# Allegro board gps_interface_boardv54dc.brd (continued)
## Copper pours and planes (outline as drawn; the poured copper is in the pictures) (continued)
GND_POWER on TOP (solid shape): 13.84,68.76 13.03,68.76 13.03,68.48 12.93,68.48 12.93,68.32 12.91,68.3 12.91,67.75 12.91,65.3 13.03,65.18 13.03,65.15 13.11,65.07 20.83,65.07 20.95,64.95 20.95,59.89 20.83,59.77 4.7,59.77 4.55,59.92 4.55,65.02 4.6,65.07 12.5,65.07 12.52,65.08 12.75,65.3 12.75,67.75 12.75,68.3 12.73,68.32 12.73,68.48 12.57,68.48 12.57,68.76 11.81,68.76 11.81,70.79 13.84,70.79
GND_POWER on TOP (solid shape): 20.9,74.5 20.9,72.49 20.87,72.48 20.76,72.42 20.66,72.34 13.13,72.34 13.06,72.26 13.06,72.05 12.97,72.05 12.97,71.44 12.98,71.4 12.99,71.35 12.97,71.26 12.89,71.22 12.76,71.22 12.68,71.26 12.67,71.35 12.68,71.4 12.68,71.44 12.68,72.05 12.6,72.05 12.6,72.26 12.52,72.34 4.62,72.34 4.55,72.42 4.55,74.45 4.65,74.55 20.85,74.55
GND_POWER on TOP (solid shape): 104.22,93.95 104.22,91.08 104.09,90.96 100.03,90.96 99.96,91.03 99.86,91.05 99.06,91.05 98.96,91.02 98.88,90.94 98.86,90.91 98.86,90.04 98.73,89.92 98.73,87.93 93.6,87.93 93.52,88.01 93.52,88.88 96.95,88.88 97.15,89.08 97.15,90.02 97.07,90.1 97.07,90.2 97.06,90.26 97.03,90.32 97.02,90.35 97.03,90.38 97.06,90.44 97.07,90.5 97.07,90.82 97.1,90.85 97.1,92.46 96.9,92.66 93.52,92.66 93.52,93.98 93.62,94.08 104.09,94.08
GND_POWER on TOP: 44.04,49.02 44.04,48.03 44.09,47.98 44.45,47.98 44.5,48.03 44.5,49.02 44.58,49.1 52.3,49.1 52.35,49.15 52.35,51.26 52.3,51.31 36.09,51.31 35.99,51.21 35.99,49.17 36.07,49.1 43.97,49.1
GND_POWER on TOP: 53.19,70.21 65.3,70.21 65.53,69.98 65.53,67.23 65.41,67.11 44.58,67.11 44.5,67.03 44.5,66.04 44.45,65.99 44.09,65.99 44.04,66.04 44.04,67.03 43.97,67.11 36.07,67.11 35.99,67.18 35.99,69.22 36.09,69.32 52.3,69.32
GND_POWER on TOP: 43.13,98.5 45.31,98.5 45.31,96.32 44.42,96.32 44.42,92.79 44.5,92.71 52.22,92.71 52.35,92.58 52.35,85.19 52.27,85.12 44.55,85.12 44.48,85.04 44.48,84.05 44.42,84 44.07,84 44.02,84.05 44.02,85.04 43.94,85.12 36.04,85.12 35.97,85.19 35.97,85.22 35.94,85.24 35.94,92.66 35.99,92.71 43.89,92.71 43.97,92.79 43.97,96.32 43.13,96.32
GND_POWER on TOP: 43.99,99.9 43.99,98.91 44.04,98.86 44.4,98.86 44.45,98.91 44.45,99.9 44.53,99.97 52.25,99.97 52.3,100.03 52.3,102.13 52.25,102.18 36.04,102.18 35.94,102.08 35.94,100.05 36.02,99.97 43.92,99.97
GND_POWER on TOP: 56.57,83.44 60.73,83.44 60.93,83.24 60.93,78.23 60.71,78 56.64,78 56.39,78.26 56.39,83.26
GND_POWER on TOP: 14.78,21.49 18.9,21.49 18.9,18.77 14.78,18.77
GND_POWER on TOP: 56.36,93.45 56.36,98.45 56.54,98.63 62.92,98.63 63.17,98.37 63.17,93.34 63.02,93.19 56.62,93.19
GND_POWER on TOP: 19.56,33.15 30.2,33.15 30.2,27.41 19.15,27.41 19.15,32.74
GND_POWER on TOP: 43.23,83.57 45.26,83.57 45.26,81.53 44.45,81.53 44.45,77.93 44.53,77.85 52.25,77.85 52.37,77.72 52.37,72.67 52.25,72.54 36.12,72.54 35.97,72.69 35.97,77.8 36.02,77.85 43.92,77.85 43.99,77.93 43.99,81.53 43.23,81.53
GND_POWER on TOP: 1.22,34.54 25.76,34.54 25.76,57.15 1.22,57.15
GND_POWER on TOP: 43.18,47.62 45.36,47.62 45.36,45.44 44.48,45.44 44.48,41.91 44.55,41.83 52.27,41.83 52.4,41.71 52.4,39.6 35.99,39.6 35.99,41.78 36.04,41.83 43.94,41.83 44.02,41.91 44.02,45.44 43.18,45.44
GND_POWER on GND1: 1.85,150.47 302.92,150.47 302.92,2 1.85,2
GND_POWER on GND2: 302.92,1.98 1.98,1.98 1.98,150.47 302.92,150.47
GND_POWER on GND3: 2,150.47 302.92,150.47 302.92,2 2,2
VCC2V5 on TOP: 89.74,88.85 89.74,90.2 91.26,90.2 91.49,90.42 92.48,90.42 92.48,89.13 91.54,89.13 91.26,88.85
VCC2V5 on TOP: 52.78,66.7 65.35,66.7 65.53,66.52 65.53,60.22 65.38,60.07 52.6,60.07 52.45,60.22 52.45,66.37
VCC2V5 on TOP: 91.9,92.41 96.8,92.41 96.85,92.35 96.85,90.96 96.82,90.93 94.28,90.93 94.26,90.91 94.26,90.02 94.28,89.99 96.82,89.99 96.9,89.92 96.9,89.18 96.85,89.13 91.9,89.13
VCC2V5 on PWR2: 32.26,129.18 155.02,129.18 155.5,128.7 155.5,98.83 155.91,98.42 293.67,98.42 293.67,48.49 293.24,48.06 267.03,48.06 266.75,47.78 266.75,29.97 267.16,29.57 293.55,29.57 293.67,29.44 293.67,18.14 293.5,17.96 31.88,17.96 31.88,128.8
VCC3V3 on TOP: 56.46,92.35 62.94,92.35 63.17,92.13 63.17,84.53 62.99,84.35 56.64,84.35 56.39,84.61 56.39,92.28
VCC3V3 on PWR1: 45.52,88.54 1.57,88.54 1.22,88.9 1.22,149.78 2.41,150.98 302.49,150.98 303.1,150.37 303.1,2.03 302.59,1.52 46.38,1.52 45.85,2.06 45.85,88.21
VCC5V on TOP (solid shape): 27.79,70.87 27.79,65.41 27.68,65.3 23.48,65.3 23.11,65.43 22.75,65.3 21.18,65.3 21.18,71.02 27.64,71.02
VCC5V on PWR2: 147.83,150.9 147.96,151.03 148.01,150.98 300.51,150.98 300.53,151 302.49,151 303.15,150.34 303.15,2.51 302.34,1.7 274.12,1.7 273.41,2.41 273.41,16.66 273.99,17.25 293.8,17.25 294.34,17.78 294.34,29.46 293.8,30 268.3,30 267.49,30.81 267.49,46.89 268.05,47.45 293.4,47.45 293.42,47.42 294.89,47.42 295.4,47.93 295.4,119.3 157.12,119.3 156.84,119.58 156.84,128.78 155.98,129.64 31.67,129.64 31.62,129.69 31.29,129.36 31.29,66.04 16.21,66.04 16.21,71.04 11.66,71.04 11.66,131.85 11.1,132.41 1.22,132.41 1.22,150.47 1.65,150.9
VCCR_SFP INTERFACE_SFP1 on PWR2: 275.11,118.75 284.45,118.75 284.66,118.54 284.66,98.83 284.48,98.65 275.11,98.65 274.9,98.86 274.9,118.54
VCCR_SFP INTERFACE_SFP2 on PWR2: 252.98,118.75 262.33,118.75 262.53,118.54 262.53,98.86 262.36,98.68 252.98,98.68 252.78,98.88 252.78,118.54
VCCR_SFP INTERFACE_SFP3 on PWR2: 230.68,118.72 240.03,118.72 240.23,118.52 240.23,98.86 240.06,98.68 230.68,98.68 230.48,98.88 230.48,118.52
VCCR_SFP INTERFACE_SFP4 on PWR2: 201.5,118.72 210.85,118.72 211.05,118.52 211.05,98.88 210.87,98.7 201.5,98.7 201.29,98.91 201.29,118.52
VCCR_SFP INTERFACE_SFP5 on PWR2: 179.25,118.72 188.59,118.72 188.8,118.52 188.8,113.84 188.82,113.82 188.82,98.88 188.65,98.7 179.27,98.7 179.07,98.91 179.07,113.64 179.04,113.67 179.04,118.52
VCCR_SFP INTERFACE_SFP6 on PWR2: 157.05,118.72 166.4,118.72 166.6,118.52 166.6,98.86 166.42,98.68 157.05,98.68 156.84,98.88 156.84,118.52
VCCT_SFP INTERFACE_SFP1 on PWR2: 285.04,118.75 294.39,118.75 294.59,118.54 294.59,98.83 294.41,98.65 285.04,98.65 284.84,98.86 284.84,118.54
VCCT_SFP INTERFACE_SFP2 on PWR2: 262.99,118.75 272.34,118.75 272.54,118.54 272.54,98.86 272.36,98.68 262.99,98.68 262.79,98.88 262.79,118.54
VCCT_SFP INTERFACE_SFP3 on PWR2: 240.69,118.69 250.04,118.69 250.24,118.49 250.24,98.86 250.06,98.68 240.69,98.68 240.49,98.88 240.49,118.49
VCCT_SFP INTERFACE_SFP4 on PWR2: 211.51,118.72 220.85,118.72 221.06,118.52 221.06,98.88 220.88,98.7 211.51,98.7 211.3,98.91 211.3,118.52
VCCT_SFP INTERFACE_SFP5 on PWR2: 189.26,118.72 198.6,118.72 198.81,118.52 198.81,98.88 198.63,98.7 189.26,98.7 189.05,98.91 189.05,118.52
VCCT_SFP INTERFACE_SFP6 on PWR2: 167.06,118.72 176.4,118.72 176.61,118.52 176.61,98.86 176.43,98.68 167.06,98.68 166.85,98.88 166.85,118.52
VDD_FILT on TOP: 99.77,90.86 105.41,90.86 105.49,90.78 105.49,89.26 105.36,89.13 98.91,89.13 98.86,89.18 98.86,89.81 98.91,89.87 99.72,89.87 99.72,90.81
VDD_FILT on PWR2: 97.21,94.39 109.09,94.39 109.42,94.06 109.42,85.78 109.8,85.39 119.63,85.39 119.84,85.19 119.84,74.45 119.61,74.22 104.24,74.22 104.04,74.42 104.04,76.45 105.94,78.36 109.52,78.36 109.8,78.64 111.38,78.64 111.56,78.82 111.56,80.77 111.2,81.13 109.86,81.13 109.47,81.51 105.89,81.51 101.24,86.16 96.93,86.16 96.93,94.11
(no net) on TOP: 98.73,87.93 93.6,87.93 93.52,88.01 93.52,88.98 93.57,89.03 96.93,89.03 96.98,89.08 96.98,92.51 96.9,92.58 93.52,92.58 93.52,93.98 93.62,94.08 104.09,94.08 104.22,93.95 104.22,91.08 104.09,90.96 98.91,90.96 98.86,90.91 98.86,89.99 98.88,89.97 98.78,89.97 98.73,89.92
(no net) on TOP: 43.26,65.56 45.29,65.56 45.29,63.53 44.48,63.53 44.48,59.92 44.55,59.84 52.27,59.84 52.4,59.72 52.4,56.74 35.99,56.74 35.99,59.79 36.04,59.84 43.94,59.84 44.02,59.92 44.02,63.53 43.26,63.53
(no net) on TOP: 11.81,70.79 13.84,70.79 13.84,68.76 13.03,68.76 13.03,65.15 13.11,65.07 20.83,65.07 20.95,64.95 20.95,59.89 20.83,59.77 4.7,59.77 4.55,59.92 4.55,65.02 4.6,65.07 12.5,65.07 12.57,65.15 12.57,68.76 11.81,68.76
(no net) on TOP: 4.6,69.44 11.23,69.44 11.28,69.39 11.28,68.3 11.35,68.22 12.47,68.22 12.5,68.2 12.5,65.41 12.42,65.33 4.6,65.33 4.55,65.38 4.55,69.39
(no net) on TOP: 36.04,64.21 42.67,64.21 42.72,64.16 42.72,63.07 42.8,62.99 43.92,62.99 43.94,62.97 43.94,60.17 43.87,60.1 36.04,60.1 35.99,60.15 35.99,64.16
(no net) on TOP: 52.37,62.46 52.37,60.22 52.25,60.1 44.68,60.1 44.6,60.17 44.6,62.97 44.63,62.99 45.8,62.99 45.82,63.02 45.82,64.19 45.85,64.21 49.25,64.21 49.26,64.22 49.26,62.46
(no net) on TOP: 21.01,70.87 21.01,65.46 21.16,65.3 27.69,65.3 27.79,65.41 27.79,70.87 27.64,71.02 21.16,71.02
(no net) on TOP: 18.03,71.02 20.83,71.02 20.93,70.92 20.93,65.46 20.8,65.33 13.23,65.33 13.16,65.41 13.16,68.2 13.18,68.22 14.35,68.22 14.38,68.25 14.38,69.42 14.4,69.44 17.81,69.44 17.96,69.6 17.96,70.94
(no net) on TOP: 12.6,72.26 12.6,71.27 12.65,71.22 13,71.22 13.06,71.27 13.06,72.26 13.13,72.34 20.85,72.34 20.9,72.39 20.9,74.5 20.85,74.55 4.65,74.55 4.55,74.45 4.55,72.42 4.62,72.34 12.52,72.34
VP2V5 on TOP: 66.19,64.21 78.66,64.21 78.66,39.57 60.76,39.57 60.76,39.6 52.68,39.6 52.68,46.2 73.03,46.2 73.03,60.07 66.19,60.07
VP2V5 on BOTTOM: 46.84,64.87 51.74,64.87 51.89,64.72 51.89,62.31 49.4,59.82 49.4,55.91 52.17,53.14 61.29,53.14 61.67,53.52 61.67,58.67 61.04,59.31 56.31,59.31 55.93,59.77 55.93,60.5 56.13,60.71 63.27,60.71 64.14,59.84 64.14,50.42 60.76,47.04 60.76,43.31 60.4,42.95 55.58,42.95 55.12,43.41 55.12,46.96 51.64,50.44 50.44,50.44 46.05,54.84 46.05,64.08
VP3V3 on TOP: 52.83,98.65 55.88,98.65 56.08,98.45 56.08,78.33 55.85,78.11 52.81,78.11 52.6,78.31 52.6,83.59 52.58,83.62 52.58,93.27 52.6,93.29 52.6,98.42
VP3V5 on TOP (solid shape): 39.71,64.21 40.13,64.03 40.55,64.21 42,64.21 42,64.19 42.61,64.19 42.69,64.2 42.72,64.16 42.72,63.07 42.8,62.99 43.92,62.99 43.92,62.27 43.94,62.27 43.94,60.17 43.87,60.1 36.04,60.1 35.99,60.15 35.99,64.16 36.04,64.21
VP3V5 on TOP: 36.04,46.2 42.67,46.2 42.72,46.15 42.72,45.06 42.8,44.98 43.92,44.98 43.94,44.96 43.94,42.16 43.87,42.09 36.04,42.09 35.99,42.14 35.99,46.15
VP3V5 on TOP: 33.4,97.08 42.62,97.08 42.67,97.03 42.67,95.94 42.75,95.86 43.87,95.86 43.89,95.83 43.89,93.04 43.81,92.96 35.53,92.96 35.53,82.22 42.65,82.22 42.7,82.17 42.7,81.08 42.77,81 43.89,81 43.92,80.98 43.92,78.18 43.84,78.11 33.4,78.11
VP3V5 on TOP: 21.44,37.9 21.44,53.59 21.64,53.8 27.69,53.8 27.91,53.57 27.91,37.87 27.71,37.67 21.67,37.67
VP3V5 on PWR1: 1.68,88.32 44.04,88.32 44.55,87.81 44.55,37.59 43.95,36.99 23.49,36.99 22.49,37.99 22.49,53.45 22.48,53.47 22.48,54.81 21.79,55.5 1.37,55.5 1.22,55.65 1.22,87.86
VP3V5 on PWR2: 16.26,65.33 16.26,22.02 31.22,22.02 31.22,65.33
VP5V on TOP (solid shape): 20.93,70.92 20.93,65.46 20.8,65.33 13.23,65.33 13.16,65.41 13.16,67.5 13.18,67.5 13.18,68.22 14.35,68.22 14.38,68.25 14.38,68.92 15.17,68.92 15.17,68.87 15.23,68.74 15.37,68.68 15.97,68.68 16.11,68.74 16.17,68.88 16.17,69.44 17.81,69.44 17.96,69.6 17.96,69.71 18,69.79 18.1,69.8 18.22,69.76 18.34,69.75 18.75,69.92 18.93,70.33 18.85,70.62 18.65,70.83 18.61,70.94 18.71,71.01 20.37,71.01 20.42,71 20.47,71 20.53,71 20.59,71.02 20.83,71.02
VP5V5 on TOP (solid shape): 10.55,69.42 11.16,69.42 11.24,69.43 11.28,69.39 11.28,68.3 11.35,68.22 12.47,68.22 12.47,67.5 12.5,67.5 12.5,65.41 12.42,65.33 4.6,65.33 4.55,65.38 4.55,69.39 4.6,69.44 10.55,69.44
VP5V5 on TOP: 18.9,25.88 14.78,25.88 14.78,22.4 18.9,22.4
VP5V5 on PWR2: 15.57,69.34 15.57,22.2 10.97,22.2 10.97,65.35 10.9,65.35 10.9,65.53 4.47,65.53 4.47,69.34
VP12V on TOP: 30.73,33.15 43.66,33.15 43.66,27.41 30.73,27.41
VP12V on TOP: 12.09,49.05 12.09,47.09 12.04,47.04 10.72,47.04 10.67,47.09 10.67,49.1 10.03,49.73 10.03,52.93 10.26,53.16 12.47,53.16 12.7,52.93 12.7,49.66
VP12V on TOP: 10.67,42.09 10.67,44.04 10.72,44.09 12.04,44.09 12.09,44.04 12.09,42.04 12.73,41.4 12.73,38.2 12.5,37.97 10.29,37.97 10.06,38.2 10.06,41.48
VP12V on PWR1: 3.5,53.99 19.99,53.99 21.49,52.49 21.49,37.99 22.99,36.49 43.98,36.49 44.53,35.94 44.53,25.48 44.5,25.45 44.5,2.01 43.46,0.97 34.39,0.97 34.39,1 9,1 8,2 8,6.5 7,7.5 3,7.5 2,8.5 2,52.49
N140138 on TOP: 14.1,44.68 14.1,46.96 14.17,47.04 15.24,47.04 15.47,47.27 15.47,47.96 15.57,48.06 18.57,48.06 18.75,47.88 18.75,43.69 18.26,43.69 17.48,42.9 17.48,39.93 16.74,39.93 16.74,42.9 15.95,43.69 15.95,44.6 14.17,44.6
N146225 on TOP: 49.45,83.79 52.25,83.79 52.35,83.69 52.35,78.23 52.22,78.11 44.65,78.11 44.58,78.18 44.58,80.98 44.6,81 45.77,81 45.8,81.03 45.8,82.19 45.82,82.22 49.23,82.22 49.38,82.37 49.38,83.72
N185241 on TOP: 52.2,97.08 45.8,97.08 45.77,97.05 45.77,95.89 45.75,95.86 44.58,95.86 44.55,95.83 44.55,93.04 44.63,92.96 52.2,92.96 52.32,93.09 52.32,96.95
N279924 on TOP (solid shape): 49.26,62.46 52.37,62.46 52.37,60.22 52.25,60.1 44.68,60.1 44.6,60.17 44.6,62.27 44.62,62.27 44.62,62.99 45.8,62.99 45.82,63.02 45.82,64.19 46.55,64.19 46.55,64.21 49.26,64.21
N808323 on TOP: 52.25,46.2 45.85,46.2 45.82,46.18 45.82,45.01 45.8,44.98 44.63,44.98 44.6,44.96 44.6,42.16 44.68,42.09 52.25,42.09 52.37,42.21 52.37,46.08

## Text on the board
Ref Des/Silkscreen Bottom: FMC CONN
Ref Des/Silkscreen Top: FAN +12V | 5V PWR GOOD | 5.5V PWR GOOD | 5.5V PWR | G | VCC5V | PPS | 3.5V PWR | 12V MAIN | 3.3V PWR GOOD | 12V FUSE | 2.5V PWR GOOD | SYNC | 12V SW | USE 4A FUSE | VCC3V3 | VCC2V5 | 3 | 2 | 1 | 0 | IRIG | SCL | SDA | PWR GOOD | FPGA | 1.8V PWR GOOD | OVERVOLTAGE | FPGA I/O | MAIN | 6 | GPS CLOCK | CLK LOL | 5 | 4 | 1.8V | CLOCK GEN OUT | (+) | (-) | RJ45 CM | SPARE RJ45 | LEMO | OUT | IN | SPARE I/O | GND | BNC | 12VDC (4A) | SFP 7 | LOS/FAULT | SFP | SFP 6 | SFP 5 | SFP 4 | SFP 3 | SFP 2 | 5.0V | 3.3V | LEMO_1 | LEMO_0 | BNC_0 | BNC_1 | SFP 1 | J Klein | J Sensenig | R Van Berg | G Mayers | GPS INTERFACE BOARD v3 | November 2024 | P Hastings (Oxf) | S Trilov | D Cussans
XSECTION_CHART: *  SURFACE | L1 TOP CONDUCTOR | *  DIELECTRIC | L2 GND1 PLANE | L3 PWR1 CONDUCTOR | L4 GND2 PLANE | L5 SIG CONDUCTOR | L6 PWR2 CONDUCTOR | L7 GND3 PLANE | L8 BOTTOM CONDUCTOR | DESIGN CROSS SECTION CHART | ___________________________ | TOTAL THICKNESS 59.6 MIL | 1-8 | 1-1
DISPLAY_BOTTOM: FIGURE | FINISHED_SIZE | 10.0 | 11.81 | 33.46 | 35.04 | 37.4 | 38.58 | 39.37 | 40.0 | 41.34 | 50.39 | 64.96 | 66.14 | 79.13 | 106.0 | 51.2 | 61.02 | 131.1 | 130.0x90.0 | ROTATION | - | 90.000 | DRILL CHART: TOP to BOTTOM | ALL UNITS ARE IN MILS | TOLERANCE_DRILL | +0.0/-0.0 | +2.0/-2.0 | +3.0/-3.0 | +10.0/-0.0 | TOLERANCE_TRAVEL | PLATED | NON-PLATED | QTY | 1768 | 30 | 297 | 6 | 8 | 54 | 10 | 73 | 12 | 28 | 60 | 4 | 2 | 11
DEVICE_TYPE_BOTTOM: FIGURE | FINISHED_SIZE | 10.0 | ROTATION | - | DRILL CHART: TOP to TOP | ALL UNITS ARE IN MILS | TOLERANCE_DRILL | +5.0/-5.0 | TOLERANCE_TRAVEL | PLATED | QTY | 2
